# KiCad board sun3_60_layout2_routing2.kicad_pcb (continued)
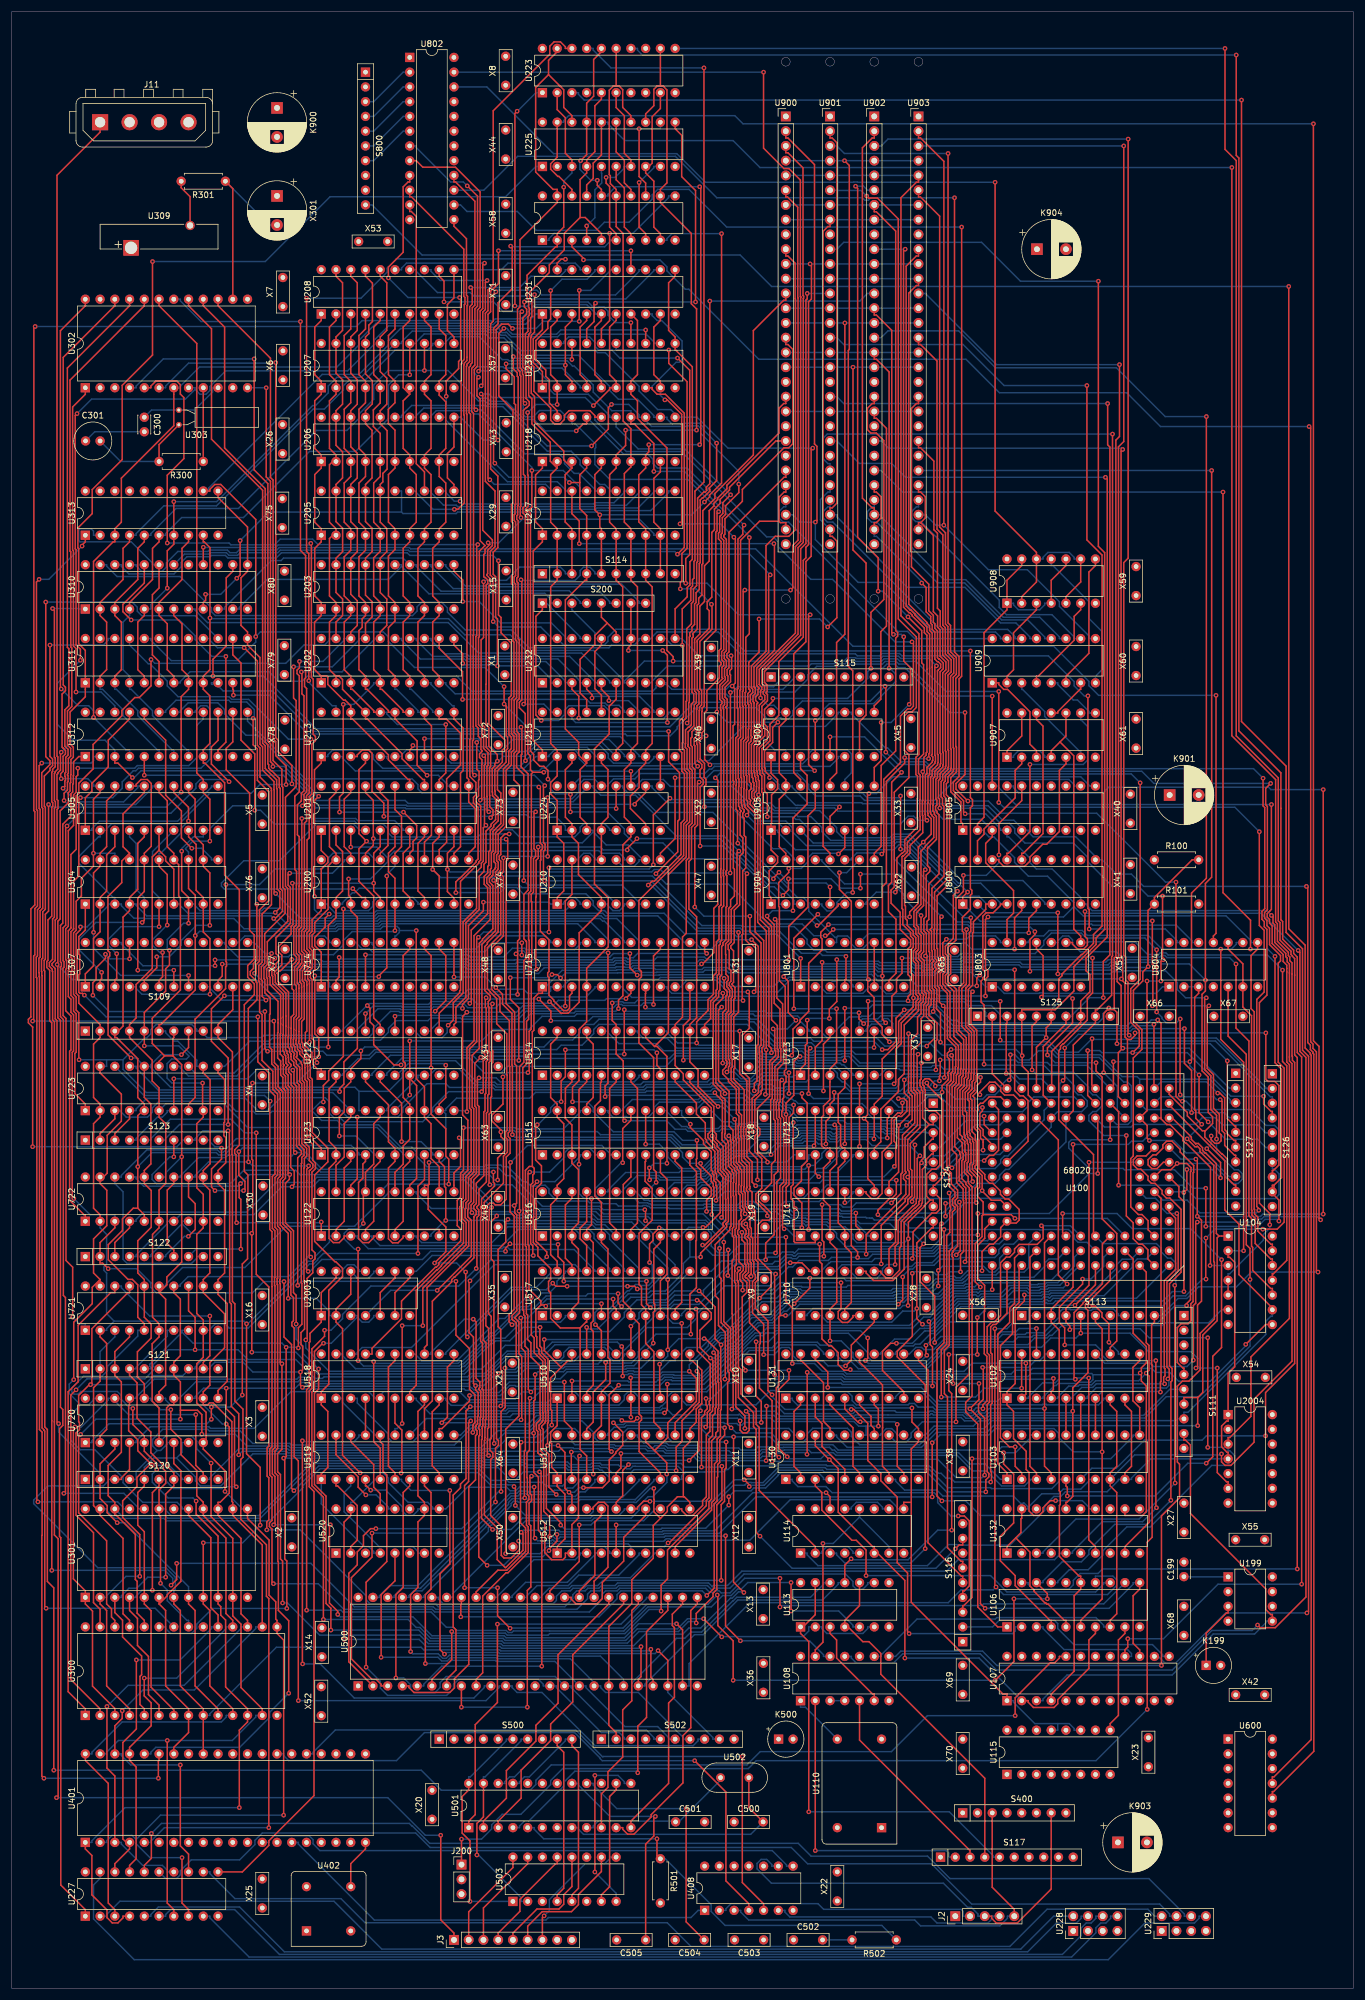
[diagram p0: board, top side]
## Routing (per net, layer and track width the routed paths; a pad name or vN(x,y) marks a point on that pad's centre or on a via; arc(x,y) is an arc through that point) (continued)
/sun3_60_mmu_diag/MMU2: length 282.5
  Top w0.25: U226.6 104.14,302.13 103.01,303.25 103.01,310.23 102.41,310.83 v1(102.41,311.81) ; U223.6 104.14,323.84 105.55,322.43 105.55,315.95 106.68,314.83 U225.7 ; 99.06,210.97 97.93,209.85 97.93,201.65 99.06,200.53 U224.3 ; 99.06,210.97 97.67,212.36 97.67,214.56 95.39,216.84 95.39,239.06 98.78,242.45 99.06,242.45 S114.4 U217.4 99.06,253.59 97.88,254.78 97.88,259.27 ; 99.06,210.97 U215.4 ; v1(85.97,299.98) 86.24,299.7 86.24,292.66 83.8,290.22 83.8,286.62 83.02,285.84 83.02,262.83 v1(83.25,262.6) ; U218.4 99.06,261.77 97.88,260.59 97.88,259.27 ; U213.4 60.96,210.97 59.83,209.85 59.83,198.83 v1(61.14,197.52) 59.83,196.21 59.83,190.61 62.37,188.07 62.37,167.09 63.5,165.96 U212.16 ; 97.88,259.27 v1(96.09,259.27)
  Bottom w0.25: 100.19,199.12 98.32,197.25 90.41,197.25 90.31,197.14 61.52,197.14 v1(61.14,197.52) ; 100.19,199.12 100.19,199.4 U224.3 ; 100.19,199.12 102.43,196.88 106.21,196.88 108.66,194.43 108.66,194.32 ; U225.7 105.55,313.7 105.55,313.42 103.95,311.81 v1(102.41,311.81) ; 108.66,194.32 108.09,194.32 108.09,194.04 107.25,193.19 105.27,193.19 U210.12 ; 108.66,194.32 U210.10 ; v1(83.25,262.6) 85.68,260.18 95.18,260.18 v1(96.09,259.27) ; v1(85.97,299.98) 86.07,299.87 102.17,299.87 103.01,300.72 103.01,301 U226.6
/sun3_60_mmu_diag/MMU3: length 298.2
  Top w0.25: U210.13 U224.4 101.6,200.53 102.73,201.65 102.73,209.85 101.6,210.97 U215.5 ; 109.22,313.14 109.22,312.57 110.63,311.16 110.63,303.25 111.76,302.13 U226.9 ; 109.22,313.14 110.35,314.26 110.35,322.26 111.76,323.68 U223.9 ; 109.22,313.14 U225.8 ; v1(87.74,242.53) 87.9,242.38 87.9,221.85 87.47,221.43 87.47,220.5 88.47,219.5 88.47,211.43 v1(88.52,211.37) ; U212.15 v1(66.04,167.38) ; v1(122.3,302.13) 122.3,259.18 120.25,257.14 120.25,256.83 v1(119.35,255.92) ; U210.15 96.52,188.37 95.38,187.23 v1(95.38,169.13) ; S114.5 U217.5 101.6,251.33 101.32,251.6 v1(101.32,253.72) 100.47,254.57 100.47,260.65 101.6,261.77 U218.5
  Bottom w0.25: U226.9 112.89,301 112.89,301.28 113.74,302.13 v1(122.3,302.13) ; v1(101.32,253.72) 117.14,253.72 v1(119.35,255.92) ; U210.13 100.47,194.32 100.47,194.6 99.63,195.45 98.55,195.45 97.65,194.55 97.65,194.32 U210.15 ; U215.5 100.47,212.1 100.47,212.36 99.16,213.68 90.83,213.68 v1(88.52,211.37) 87.67,210.52 65.92,210.52 64.63,211.82 64.63,212.1 U213.5 ; v1(87.74,242.53) 87.87,242.4 97.04,242.4 97.93,243.29 97.93,244.14 98.5,244.7 99.63,244.7 100.47,243.86 100.47,243.58 S114.5 ; v1(66.04,167.38) 66.19,167.53 77.51,167.53 77.7,167.34 86.99,167.34 88.37,168.72 94.36,168.72 94.77,169.13 v1(95.38,169.13)
/sun3_60_mmu_diag/MMU4: length 272.7
  Top w0.25: v1(81.33,212.25) 81.61,211.97 81.61,210.76 81.43,210.58 81.43,205.05 81.46,205.02 81.46,200.52 v1(81.7,200.27) 81.26,199.83 81.26,194.09 80.91,193.74 80.91,193.05 80.09,192.23 80.09,185.94 77.78,183.63 77.78,171.4 76.08,169.7 76.08,166.72 v1(75.2,165.83) ; 111.76,327.54 111.2,327.54 110.63,326.98 110.63,324.17 109.22,322.75 U225.13 ; 111.76,327.54 U223.12 ; 111.76,327.54 112.22,327.54 112.89,326.87 112.89,310.87 111.76,309.75 U226.12 111.76,307.49 117.09,302.16 117.09,290.07 117.99,289.17 117.99,289.17 v1(117.99,268.3) ; v1(105.77,268.3) 105.77,265.65 104.14,264.03 U218.6 104.14,261.77 103.01,260.65 103.01,252.45 104.14,251.33 U217.6 S114.6 104.14,242.45 105.27,241.32 105.27,214.35 104.14,213.23 U215.6
  Bottom w0.25: U224.5 103.01,199.4 103.01,199.68 102.14,200.55 98.56,200.55 97.93,199.92 97.93,199.2 97.01,198.27 87.47,198.27 86.25,199.5 82.48,199.5 v1(81.7,200.27) ; U215.6 101.66,214.58 90.22,214.58 88.59,212.96 84.89,212.96 84.47,212.55 81.63,212.55 v1(81.33,212.25) 80.34,213.24 68.02,213.24 67.17,212.38 67.17,212.1 U213.6 ; v1(75.2,165.83) 75.04,165.67 75.04,164.57 74.16,163.69 70.57,163.69 69.71,164.55 69.71,164.84 U212.14 ; v1(105.77,268.3) v1(117.99,268.3)
/sun3_60_mmu_diag/MMU5: length 256.6
  Top w0.25: U213.7 68.58,213.23 69.12,213.77 v1(69.12,214.02) ; 104.14,327.58 U223.15 ; 104.14,327.58 103.69,327.58 102.95,326.83 102.95,312.3 103.14,312.11 103.14,310.75 104.14,309.75 U226.15 104.14,303.34 105.34,302.14 105.34,269.88 106.68,268.54 U218.7 106.68,261.96 105.55,260.83 105.55,252.45 106.68,251.33 U217.7 S114.7 106.68,242.45 107.81,241.32 107.81,214.35 106.68,213.23 U215.7 106.68,210.97 105.55,209.85 105.55,201.65 106.68,200.53 U224.6 106.68,198.27 105.3,196.89 105.3,170.9 104.54,170.15 v1(104.54,168.7) ; 104.14,327.58 104.62,327.58 105.27,326.92 105.27,323.86 106.68,322.45 U225.14
  Bottom w0.25: v1(69.12,214.02) 69.35,213.79 82.56,213.79 83.35,213 84.29,213 86.34,215.05 102.88,215.05 105.55,212.38 105.55,212.1 U215.7 ; U212.13 72.25,164.84 72.25,165.12 73.71,166.58 76.32,166.58 76.48,166.42 88.05,166.42 89.44,167.81 94.74,167.81 94.87,167.95 96.88,167.95 97.17,168.23 104.07,168.23 v1(104.54,168.7)
/sun3_60_mmu_diag/MMU6: length 268
  Top w0.25: U213.8 v1(71.12,215.17) ; v1(118.52,265.8) 118.72,265.99 118.72,310.02 v1(118.53,310.21) ; v1(109.76,265.8) 109.76,264.57 109.22,264.03 U218.8 109.22,261.77 108.03,260.59 108.03,252.51 109.22,251.33 U217.8 S114.8 109.22,242.45 110.35,241.32 110.35,214.35 109.22,213.23 U215.8 109.22,210.97 108.09,209.85 108.09,206.78 106.59,205.28 106.59,203.16 109.22,200.53 U224.7 ; v1(98.01,314.69) 99.06,315.74 U225.17 99.06,324.6 100.26,325.8 100.26,332.12 101.6,333.46 U223.16 ; v1(80.12,214.52) 80.12,209.94 80.53,209.53 80.53,208.12 80.43,208.03 80.43,205.31 80.01,204.89 80.01,204.28 80.43,203.86 80.53,203.86 80.81,203.58 80.81,194.27 80.46,193.93 80.46,193.74 77.33,190.6 77.33,171.88 77.18,171.73 77.18,171.44 73.66,167.92 U212.12 ; U226.16 101.6,309.75 100.89,310.45 v1(100.89,311.32)
  Bottom w0.25: 80.58,215.01 80.41,215.17 v1(71.12,215.17) ; 80.58,215.01 81.1,215.53 104.87,215.53 108.09,212.3 108.09,212.1 U215.8 ; 80.58,215.01 80.58,214.97 v1(80.12,214.52) ; v1(109.76,265.8) v1(118.52,265.8) ; v1(100.89,311.32) 99.77,311.32 97.89,313.2 97.89,314.57 v1(98.01,314.69) ; U226.16 102.73,308.62 102.73,308.9 104.03,310.21 v1(118.53,310.21)
/sun3_60_mmu_diag/MMU7: length 287.5
  Top w0.25: v1(82.09,248.91) 82.36,248.64 82.36,248.6 81.55,247.79 81.55,247.1 81.33,246.88 81.33,243.06 81.47,242.92 81.6,242.92 82.03,242.5 82.03,241.89 81.75,241.62 81.75,224.57 81.72,224.54 81.72,217.57 82.21,217.09 82.21,213.87 83.67,212.41 v1(83.67,211.3) 83.24,210.86 83.24,210.47 82.79,210.02 82.79,206.02 82.84,205.97 82.84,205.37 83.38,204.83 83.38,201.23 82.58,200.44 82.58,200.13 81.71,199.26 81.71,193.9 81.36,193.55 81.36,192.31 80.55,191.49 80.55,185.76 78.24,183.45 78.24,170.65 76.54,168.94 76.54,166.3 76.2,165.96 U212.11 ; 92.49,329.51 95.11,326.9 95.11,323.86 96.52,322.45 U225.18 ; 92.49,329.51 90.27,327.3 90.27,312.75 93.28,309.75 93.98,309.75 U226.19 93.98,307.49 87.58,301.09 87.58,289.54 87.15,289.11 87.15,278.82 87.38,278.59 87.38,278.54 87.56,278.37 87.56,277.77 87.72,277.61 87.72,255.18 87.62,255.08 87.62,253.37 v1(87.74,253.25) ; 92.49,329.51 92.49,331.97 93.98,333.46 U223.19 ; S114.9 U217.9 111.76,251.33 110.63,252.45 110.63,259.99 111.76,261.11 U218.9 ; U224.9 U215.9
  Bottom w0.25: v1(82.09,248.91) 83.93,248.91 87.99,252.96 ; U213.9 74.79,212.1 74.79,211.91 75.72,210.97 83.35,210.97 v1(83.67,211.3) 83.86,211.3 84.71,212.14 88.44,212.14 90.43,214.13 101.2,214.13 102.79,212.55 102.79,211.85 103.68,210.96 109.77,210.96 110.63,211.82 110.63,212.1 U215.9 ; v1(87.74,253.25) 87.99,253 87.99,252.96 ; 87.99,252.96 108.15,252.96 110.63,250.48 110.63,250.2 U217.9
/sun3_60_mmu_diag/MMU.S: length 44.8
  Top w0.25: v1(102.88,221.73) 102.88,222.39 101.6,223.67 U232.5
  Bottom w0.25: U232.5 100.47,224.8 100.47,224.99 96.11,229.35 78.82,229.35 78.38,229.79 74.59,229.79 72.25,232.14 72.25,232.42 U202.13 ; v1(102.88,221.73) 106.27,221.73 108.09,219.91 108.09,219.72 U215.13
/sun3_60_mmu_diag/MMU.V: length 57.8
  Top w0.25: v1(97.71,218.72) 97.71,222.49 96.52,223.67 U232.3
  Bottom w0.25: U232.3 95.39,224.8 95.39,225.08 92.02,228.45 78.45,228.45 78.44,228.46 78.01,228.89 70.42,228.89 67.17,232.14 67.17,232.42 U202.15 ; U215.11 113.17,219.72 113.17,219.51 112.25,218.58 97.84,218.58 v1(97.71,218.72)
/sun3_60_mmu_diag/MMU.W: length 50.2
  Top w0.25: U232.4 99.06,223.67 99.98,222.75 v1(99.98,222.17)
  Bottom w0.25: U215.12 110.63,219.72 110.63,220 108.18,222.45 100.26,222.45 v1(99.98,222.17) ; U202.14 69.71,232.42 69.71,232.14 72.51,229.34 78.2,229.34 78.63,228.9 94.11,228.9 97.93,225.08 97.93,224.8 U232.4
/sun3_60_mmu_diag/MMU.X: length 42.2
  Top w0.25: v1(77.68,221.93) 77.68,226.71 73.66,230.73 U202.12
  Bottom w0.25: v1(77.68,221.93) 99.05,221.93 99.68,221.3 102.25,221.3 102.63,220.92 104.63,220.92 105.55,220 105.55,219.72 U215.14
/sun3_60_mmu_diag/MODIFY: length 38.9
  Bottom w0.25: S200.8 108.09,238.5 108.09,238.78 105.09,241.78 81.91,241.78 81.6,241.47 78.16,241.47 74.79,244.84 74.79,245.12 U203.12
/sun3_60_mmu_diag/MODIFYX: length 44.8
  Top w0.25: v1(106.25,230.36) 106.25,230.86 106.68,231.29 U232.14 S200.7 ; v1(112.97,217.96) 112.97,229.55 v1(112.15,230.36)
  Bottom w0.25: v1(112.97,217.96) 97.16,217.96 96.52,218.59 U215.18 ; v1(106.25,230.36) v1(112.15,230.36)
/sun3_60_mmu_diag/RD.BERR-: length 65.2
  Top w0.25: v1(87.08,323.21) 86.7,322.82 v1(86.7,289.68) ; U230.14 v1(106.68,286.82)
  Bottom w0.25: v1(86.7,289.68) 86.74,289.64 88.92,289.64 89.65,290.36 99.3,290.36 100.25,289.41 101.12,289.41 101.18,289.48 102.05,289.48 102.73,288.8 102.73,288.11 104.02,286.82 v1(106.68,286.82) ; v1(87.08,323.21) 87.12,323.21 90.31,326.4 U223.1
/sun3_60_mmu_diag/RD.CX-: length 128
  Top w0.25: v1(88.22,190.73) 88.22,209 86.99,210.23 86.99,212.45 87.44,212.9 87.44,215.99 87.02,216.41 87.02,221.62 87.44,222.04 87.44,232.19 87.26,232.36 87.26,241.98 87.02,242.23 87.02,242.83 87.26,243.08 87.26,252.7 87.02,252.94 87.02,253.55 87.17,253.7 87.17,255.27 87.26,255.36 87.26,277.42 87.1,277.58 87.1,278.18 86.42,278.86 v1(86.42,280.95) ; U230.18 v1(96.52,280.46)
  Bottom w0.25: v1(86.42,280.95) 86.69,280.69 96.29,280.69 v1(96.52,280.46) ; U210.7 108.09,186.7 108.09,186.98 105.1,189.97 88.98,189.97 v1(88.22,190.73)
/sun3_60_mmu_diag/RD.ID-: length 112.3
  Top w0.25: v1(118.18,210.43) 117.71,210.91 117.71,213.94 117.57,214.07 117.57,215.18 117.97,215.58 117.97,216.33 117.99,216.35 117.99,216.55 118.44,217 118.44,220.01 118.5,220.07 118.5,220.63 118.86,220.98 118.86,223.46 118.56,223.76 118.56,231.92 120.65,234.02 120.65,238.22 v1(120.55,238.32) ; v1(113.2,282.09) 113.2,279.8 116.36,276.64 116.36,247.95 115.46,247.06 115.46,242.37 115.19,242.1 v1(115.19,240.97)
  Bottom w0.25: v1(118.18,210.43) 117.71,209.96 108.21,209.96 106.96,208.71 98.21,208.71 U224.15 ; v1(113.2,282.09) 104.14,282.09 U230.15 ; v1(115.19,240.97) 117.9,240.97 v1(120.55,238.32)
/sun3_60_mmu_diag/RD.SYSEN-: length 45.9
  Top w0.25: U230.16 101.6,285.74 103.01,287.15 v1(103.01,302.18)
  Bottom w0.25: U226.11 113.17,308.62 113.17,308.34 107.01,302.18 v1(103.01,302.18) 93.46,302.18 92.57,301.28 92.57,301 U226.1
/sun3_60_mmu_diag/SA17: length 94.5
  Top w0.25: U208.1 53.34,287.17 52.21,286.05 52.21,277.85 53.34,276.73 U207.1 53.34,274.47 52.21,273.35 52.21,265.15 53.34,264.03 U206.1 53.34,261.77 52.21,260.65 52.21,252.45 53.34,251.33 U205.1 53.34,249.07 52.21,247.95 52.21,239.75 53.34,238.63 U203.1 53.34,236.37 52.17,235.21 52.17,227.09 53.34,225.93 ; 53.34,225.93 54.33,225.93 54.47,225.79 54.47,224.52 57.18,221.81 57.46,221.81 58.42,220.85 U213.18 58.42,218.59 58.7,218.59 64.91,212.38 64.91,211.53 68.3,208.15 68.58,208.15 U201.16 ; 53.34,225.93 U202.1
/sun3_60_mmu_diag/SA18: length 95.2
  Top w0.25: U205.2 55.88,250.76 ; 55.88,250.76 55.88,251.33 54.75,252.45 54.75,262.34 55.88,263.46 ; 55.88,250.76 54.75,249.64 54.75,239.75 55.88,238.63 U203.2 55.88,236.37 54.75,235.25 54.75,227.05 55.88,225.93 ; U201.15 71.12,208.15 70.84,208.15 67.26,211.73 67.26,212.58 61.24,218.59 60.96,218.59 U213.17 57.01,223.67 57.01,225.36 56.44,225.93 55.88,225.93 ; 55.88,225.93 U202.2 ; U208.2 55.88,287.17 54.75,286.05 54.75,277.85 55.88,276.73 U207.2 55.88,274.47 54.75,273.35 54.75,265.15 55.88,264.03 55.88,263.46 ; U206.2 55.88,263.46
/sun3_60_mmu_diag/SA19: length 99.6
  Top w0.25: U208.3 58.42,285.72 57.29,284.59 57.29,277.85 58.42,276.73 U207.3 58.42,273.02 57.29,271.89 57.29,265.15 58.42,264.03 U206.3 58.42,260.32 57.29,259.19 57.29,252.45 58.42,251.33 U205.3 58.42,247.62 57.29,246.49 57.29,239.75 58.42,238.63 U203.3 58.42,236.37 57.29,235.25 57.29,227.05 58.42,225.93 U202.3 58.42,223.67 58.7,223.67 62.37,220 62.37,219.72 U213.16 ; U201.14 73.66,208.15 74.79,209.28 v1(74.79,217.62)
  Bottom w0.25: v1(74.79,217.62) 66.45,217.62 64.63,219.44 64.63,219.72 U213.16
/sun3_60_mmu_diag/SA20: length 94.9
  Top w0.25: U208.4 60.96,285.72 59.83,284.59 59.83,277.85 60.96,276.73 U207.4 60.96,273.02 59.83,271.89 59.83,265.15 60.96,264.03 U206.4 60.96,260.32 59.83,259.19 59.83,252.45 60.96,251.33 U205.4 60.96,247.62 59.83,246.49 59.83,239.75 60.96,238.63 U203.4 60.96,236.37 60.39,235.8 60.39,234.35 59.83,233.79 59.83,227.05 60.96,225.93 U202.4 60.96,223.67 61.24,223.67 64.91,220 64.91,219.72 U213.15 66.04,218.59 69.85,214.78 69.85,210.59 v1(71.57,208.88)
  Bottom w0.25: U201.13 75.07,207.02 75.07,207.3 73.5,208.88 v1(71.57,208.88)
/sun3_60_mmu_diag/SA21: length 123.8
  Top w0.25: U208.5 63.5,287.17 62.37,286.05 62.37,277.85 63.5,276.73 U207.5 63.5,272.97 62.32,271.79 62.32,268.92 63.5,267.73 U206.5 63.5,261.77 63.5,261.77 63.5,260.32 62.37,259.19 62.37,252.45 63.5,251.33 U205.5 63.5,247.45 62.37,246.31 62.37,239.76 63.5,238.63 U203.5 63.5,236.37 62.37,235.25 62.37,227.05 63.5,225.93 U202.5 63.5,223.67 63.78,223.67 67.45,220 67.45,219.72 U213.14 ; v1(57.13,221.08) 57.13,205.8 56.49,205.16 v1(56.49,202.53) ; v1(67.5,202.53) 69.78,200.25 69.78,198.1 69.15,197.47 69.15,196.02 68.58,195.45 U200.16
  Bottom w0.25: U202.5 62.37,224.8 62.37,224.52 58.94,221.08 v1(57.13,221.08) ; v1(67.5,202.53) v1(56.49,202.53)
/sun3_60_mmu_diag/SA22: length 102.6
  Top w0.25: U208.6 66.04,285.72 64.91,284.59 64.91,277.85 66.04,276.73 U207.6 66.04,273.02 64.9,271.88 64.9,269.43 66.04,268.29 U206.6 66.04,261.77 64.91,260.65 64.91,252.45 66.04,251.33 U205.6 66.04,247.75 64.91,246.62 64.91,239.75 66.04,238.63 U203.6 66.04,235.44 64.91,234.31 64.91,227.05 66.04,225.93 U202.6 ; U200.15 71.12,197.37 72.32,198.57 72.32,217.39 71.12,218.59 U213.13
  Bottom w0.25: U202.6 66.04,223.67 66.32,223.67 69.99,220 69.99,219.72 U213.13
/sun3_60_mmu_diag/SA23: length 106.4
  Top w0.25: U200.14 73.66,196.07 74.93,197.34 74.93,208.25 77.33,210.64 77.33,216.11 74.84,218.59 73.66,218.59 U213.12 ; U208.7 68.58,287.17 67.45,286.05 67.45,275.6 68.58,274.47 ; U207.7 68.58,274.47 ; 68.58,274.47 67.45,273.35 67.45,265.15 68.58,264.03 U206.7 68.58,261.77 69.71,260.65 69.71,252.45 68.58,251.33 U205.7 68.58,249.07 67.45,247.95 67.45,239.75 68.58,238.63 U203.7 68.58,236.37 67.45,235.25 67.45,227.05 68.58,225.93 U202.7
  Bottom w0.25: U202.7 68.58,223.67 68.86,223.67 72.53,220 72.53,219.72 U213.12
/sun3_60_mmu_diag/SA24: length 102.9
  Top w0.25: U213.11 76.2,218.59 77.78,217.01 77.78,209.68 77.33,209.23 77.33,196.57 76.2,195.45 U200.13 ; U208.8 71.12,287.17 72.25,286.05 72.25,277.85 71.12,276.73 U207.8 71.12,274.47 72.25,273.35 72.25,265.15 71.12,264.03 U206.8 71.12,261.77 72.25,260.65 72.25,252.45 71.12,251.33 U205.8 71.12,249.07 69.99,247.95 69.99,239.75 71.12,238.63 U203.8 71.12,236.37 69.99,235.25 69.99,227.05 71.12,225.93 U202.8
  Bottom w0.25: U202.8 72.25,224.8 72.25,224.52 75.92,220.85 76.2,220.85 U213.11
/sun3_60_mmu_diag/TYPE0X: length 22.5
  Top w0.25: U232.16 101.6,231.29 100.47,230.17 100.47,223.79 101.6,222.66 U215.16
  Bottom w0.25: U232.16 100.47,232.42 100.47,233.42 96.52,237.37 S200.3
/sun3_60_mmu_diag/TYPE1X: length 46.3
  Top w0.25: S200.1 91.44,237.37 90.31,236.24 90.31,219.24 v1(91.24,218.31)
  Bottom w0.25: U215.15 103.01,219.72 103.01,219.9 102.07,220.85 96,220.85 95.25,220.1 95.25,219.33 94.23,218.31 v1(91.24,218.31) ; U232.17 97.93,232.42 97.93,232.7 92.14,238.5 S200.1
/sun3_60_mmu_diag/WE.PMAP0-: length 117.1
  Top w0.25: U202.11 76.2,231.29 77.71,229.78 v1(77.71,228.16) ; v1(83.42,292.12) 82.97,291.67 82.97,287.06 82.52,286.61 82.52,261.63 83.76,260.38 83.76,248.08 82.96,247.28 82.96,243.48 83.38,243.06 83.38,236.1 83.69,235.79 v1(83.69,227.71)
  Bottom w0.25: v1(77.71,228.16) 77.98,227.89 83.52,227.89 v1(83.69,227.71) 90.65,227.71 92.85,225.5 92.85,224.8 U232.2 ; U231.13 108.09,295.92 108.09,295.64 104.03,291.58 91.3,291.58 90.49,292.39 83.68,292.39 v1(83.42,292.12)
/sun3_60_mmu_diag/WE.PMAP2-: length 70.8
  Top w0.25: U206.11 76.2,265.4 75.07,264.27 75.07,260.07 76.2,258.95 U205.11 ; v1(97.79,292.36) v1(97.79,287.03) ; v1(86.29,285.81) 85.55,286.55 84.42,286.55 83.48,285.6 83.48,266.9 v1(83.78,266.59)
  Bottom w0.25: v1(83.78,266.59) 81.25,266.59 77.33,270.52 U206.11 ; U231.15 103.01,295.92 103.01,295.64 99.74,292.36 v1(97.79,292.36) ; v1(97.79,287.03) 91.59,287.03 90.36,285.81 v1(86.29,285.81)
/sun3_60_mmu_diag/WE.PMAP3-: length 37.6
  Top w0.25: U207.11 76.2,284.35 75.07,285.47 75.07,289.94 76.2,291.07 U208.11
  Bottom w0.25: U231.17 97.93,295.92 97.93,296.2 97.09,297.05 95.75,297.05 95.7,297 95.1,297 95.05,297.05 85.49,297.05 84.36,295.92 U208.11
/sun3_60_mmu_diag/WE.SMAP-: length 119
  Top w0.25: v1(79.08,292.85) 79.35,292.58 79.35,290 78.9,289.55 78.9,280.11 78.44,279.64 78.44,279.39 78.35,279.31 78.35,271.13 78.44,271.04 78.44,208.45 78.74,208.15 U201.12 78.74,204.27 79.87,203.15 79.87,196.57 78.74,195.45 U200.12
  Bottom w0.25: U231.18 95.39,295.92 95.39,295.69 94.49,294.79 89.45,294.79 87.51,292.85 v1(79.08,292.85)
/sun3_60_mmu_diag/WE.STAT-: length 28.6
  Top w0.25: U203.11 76.2,243.99 77.71,242.48 v1(77.71,238.79)
  Bottom w0.25: U232.18 95.39,232.42 95.39,232.7 92.99,235.11 84.22,235.11 80.54,238.79 v1(77.71,238.79)
/sun3_60_mmu_diag/WR.CX-: length 154
  Top w0.25: v1(138.33,209.66) 137.29,210.7 137.29,236.24 v1(137.57,236.51) ; v1(114.71,280.71) 116.81,278.61 116.81,246.87 116.12,246.18 v1(116.12,241.94) ; U210.9 111.76,195.45 114.29,197.98 v1(114.29,208.45)
  Bottom w0.25: v1(114.29,208.45) 119.75,208.45 120.99,209.68 138.31,209.68 v1(138.33,209.66) ; U230.19 95.11,283.22 95.11,283.5 95.95,284.35 99.56,284.35 100.47,283.43 100.47,282.75 101.13,282.09 103.39,282.09 104.78,280.71 v1(114.71,280.71) ; v1(137.57,236.51) 125.23,236.51 119.8,241.94 v1(116.12,241.94)
/sun3_60_mmu_diag/WR.DIAG-: length 331.2
  Top w0.25: v1(53.9,113.32) 53.9,112.28 51.72,110.1 51.72,107.16 51.7,107.14 51.7,106.17 51.72,106.14 51.72,103.33 51.27,102.87 51.27,86.37 52.09,85.55 52.09,33.18 44.31,25.4 44.31,24.61 39.75,20.06 U227.11 ; U230.13 v1(109.22,285.55) ; v1(80.04,123.95) 80.15,124.07 80.15,132.75 80.47,133.07 80.47,134.05 80.15,134.37 80.15,134.6 80.51,134.95 80.51,137.59 81.79,138.87 81.79,150.7 82.01,150.93 82.01,153.78 82.23,153.99 82.23,159.41 82.44,159.63 82.44,161.2 82.23,161.41 82.23,168.95 82.1,169.08 82.1,169.91 82.47,170.28 82.47,170.88 82.04,171.3 82.02,171.3 81.51,171.81 81.51,179.38 81.96,179.83 81.96,180.06 83.81,181.91 83.81,191.04 83.37,191.47 83.37,192.23 83.72,192.58 83.72,192.66 83.82,192.77 83.82,193.89 83.54,194.17 83.54,195.14 83.82,195.42 83.82,198.73 85.18,200.09 85.18,209.74 86.09,210.64 86.09,212.82 86.54,213.27 86.54,215.61 86.11,216.04 86.11,221.99 86.54,222.41 86.54,231.81 86.36,231.99 86.36,241.61 86.11,241.86 86.11,243.21 86.36,243.45 86.36,252.32 86.11,252.57 86.11,255.49 86.36,255.74 86.36,271.76 83.93,274.2 83.93,284.95 v1(84.8,285.82)
  Bottom w0.25: v1(109.22,285.55) 94.61,285.55 93.88,284.82 86.25,284.82 85.97,285.09 85.94,285.09 85.52,285.52 85.52,285.61 85.31,285.82 v1(84.8,285.82) ; v1(80.04,123.95) 77.01,120.93 61.89,120.93 57.01,116.05 57.01,115.31 55.02,113.32 v1(53.9,113.32)
/sun3_60_mmu_diag/WR.SYSEN-: length 57.3
  Top w0.25: v1(100.58,290.17) 100.34,289.92 100.34,287 99.06,285.72 U230.17 ; v1(117.82,290.37) 117.82,309.56 115.43,311.95 115.43,319.07 114.3,320.19 U225.11
  Bottom w0.25: v1(100.58,290.17) 100.78,290.37 v1(117.82,290.37)
/TEST0-: length 39.3
  Bottom w0.25: S116.2 168.99,62.24 170.12,63.37 179.65,63.37 180.21,62.8 180.21,61.96 182.98,59.19 196.53,59.19 198.28,57.44 198.28,57.16 U107.13
/TEST1-: length 72.8
  Top w0.25: S116.3 163.84,65.91 164.03,65.91 165.44,67.32 v1(165.44,91.2) ; U103.11 194.32,100.01 193.16,101.17 193.16,106.93 194.32,108.09 U102.11
  Bottom w0.25: v1(165.44,91.2) 189.35,91.2 193.2,95.06 193.2,95.26 U103.11
/TEST2-: length 49.2
  Top w0.25: v1(163.06,81.34) 164.12,81.34 164.98,80.48 164.98,69.3 164.13,68.45 163.84,68.45 S116.4
  Bottom w0.25: U130.1 134.49,87.64 134.49,87.36 135.45,86.4 140.29,86.4 141.34,85.35 158.94,85.35 159.53,84.76 159.53,83.64 161.82,81.34 v1(163.06,81.34)
/TEST3-: length 42.7
  Top w0.25: S116.5 163.84,70.99 163.6,70.99 157.85,76.74 157.85,106.46 156.22,108.09 156.22,109.22
/TEST4-: length 308.2
  Top w0.25: v1(127.46,180.56) 128.63,179.4 128.63,162.56 128.35,162.28 128.35,160.93 128.4,160.88 128.4,156.26 127.93,155.78 v1(127.93,154.55) ; U313.11 35.56,256.69 40.64,251.61 U310.13 40.64,243.99 39.51,242.87 39.51,234.67 40.64,233.55 U311.13 40.64,231.29 42.78,229.15 42.78,214.22 43.24,213.77 43.24,209.75 45.2,207.79 45.2,206.41 45.23,206.39 45.23,188.77 v1(45.49,188.52) ; v1(157.66,155.9) 157.73,155.9 157.85,155.77 157.85,155.42 160.42,152.85 160.42,141.18 161.43,140.17 161.43,138.19 162.5,137.12 162.5,136.29 162.08,135.87 162.08,134.9 162.5,134.49 162.5,134.11 162.06,133.67 162.06,127.51 161.53,126.98 161.53,110.73 160.68,109.88 160.68,102.4 161.21,101.87 161.21,75.88 163.57,73.53 163.84,73.53 S116.6
  Bottom w0.25: v1(127.46,180.56) 122.15,180.56 120.53,178.94 118.82,178.94 117.97,179.79 117.97,180.08 U715.14 115.9,180.08 111.31,184.66 102.27,184.66 101.82,185.11 63.05,185.11 62.6,184.67 55.43,184.67 55.01,184.26 49.75,184.26 v1(45.49,188.52) ; v1(127.93,154.55) 128.3,154.55 129.4,155.64 130.94,155.64 131.57,155.01 133.07,155.01 133.31,155.26 143.62,155.26 144.38,154.5 153.09,154.5 154.49,155.9 v1(157.66,155.9)
/TEST6-: length 191.2
  Top w0.25: v1(128.92,77.86) 128.25,78.53 128.25,96.25 127.8,96.71 127.8,99.13 125.2,101.73 125.2,106.36 124.75,106.81 124.75,114.02 124.72,114.05 124.72,121.39 124.56,121.55 124.56,123.44 124.66,123.54 124.57,123.62 124.57,124.33 124.84,124.6 124.84,129.47 124.62,129.7 124.62,130.67 124.84,130.9 124.84,136.59 124.78,136.66 124.78,138.53 124.84,138.6 124.84,140.55 124.55,140.84 124.55,141.16 123.94,141.78 123.94,142.81 123.94,142.81 123.94,145.77 123.83,145.88 123.83,146.53 v1(123.55,146.8) ; U714.11 v1(76.2,174.14) ; v1(86.27,146.99) 86.27,158.91 86.19,158.99 86.19,167.85 84.57,169.47 84.57,171.16 v1(83.41,172.32) ; v1(162.56,75.69) 163.23,76.35 163.84,76.35 S116.8
  Bottom w0.25: v1(76.2,174.14) 81.58,174.14 v1(83.41,172.32) ; v1(123.55,146.8) 121.54,144.79 115.32,144.79 113.58,146.54 86.72,146.54 v1(86.27,146.99) ; v1(162.56,75.69) 159.21,72.34 134.45,72.34 v1(128.92,77.86)
/V.INT-: length 189.4
  Top w0.25: U307.10 35.56,173.58 36.28,174.3 v1(36.28,176.36) ; v1(118.85,176.39) 119.02,176.39 120.96,178.33 120.96,185.95 121.65,186.65 121.65,208.01 v1(121.22,208.44)
  Bottom w0.25: v1(121.22,208.44) 122,209.21 135.37,209.21 137.29,207.29 137.29,206.51 138.5,205.3 146.17,205.3 146.93,204.55 159.01,204.55 162.62,208.15 182.13,208.15 183.04,207.25 183.04,207.02 U805.12 ; v1(118.85,176.39) 118.55,176.1 107.09,176.1 106.8,175.81 105.65,175.81 105.57,175.88 104.14,175.88 104,175.75 91.76,175.75 90.76,174.74 90.16,174.74 89.93,174.97 53.52,174.97 53.18,175.31 44.07,175.31 43.02,176.36 v1(36.28,176.36)
/WDOG-: length 411.8
  Top w0.25: v1(223.14,64.65) 223.41,64.93 223.41,160.48 222.38,161.52 222.38,178.99 219.55,181.81 219.55,210.44 211.86,218.13 v1(211.86,325.13)
  Bottom w0.25: U107.14 197.54,57.16 198.72,55.99 200.47,55.99 209.13,64.65 v1(223.14,64.65) ; U223.3 97.65,326.4 97.65,326.12 98.63,325.13 v1(211.86,325.13)
/WRITE-: length 587.9
  Top w0.25: v1(138.89,184.94) 134.74,180.8 v1(134.74,168.68) ; U231.7 107.81,287.17 107.81,277.86 106.68,276.73 U230.7 106.68,274.47 107.81,273.35 107.81,270.32 112.89,265.24 112.89,230.37 113.96,229.3 v1(113.96,228.53) ; v1(38.76,131.83) 38.65,131.94 38.65,143.54 38.42,143.77 38.42,144.38 39.23,145.19 39.23,189.15 36.69,191.69 36.69,207.58 33.3,210.97 33.02,210.97 U312.9 33.02,213.23 34.15,214.35 34.15,222.55 33.02,223.67 U311.9 33.02,225.93 34.17,227.07 v1(34.17,235.97) 34.17,248.07 33.17,249.07 33.02,249.07 U313.9 ; v1(142.11,168.68) 142.11,159.47 140.99,158.34 U713.3 140.99,156.09 140.96,156.07 140.96,153.02 139.86,151.91 139.86,150.28 139.52,149.95 139.52,145.11 139.99,144.65 140.99,144.65 U712.3 140.99,142.39 139.86,141.27 139.86,135.73 140.99,134.61 U711.3 140.99,128.41 142.14,127.26 142.14,118.12 140.99,116.97 U710.3 v1(140.99,111.48) ; v1(154.7,184.5) 154.7,185.33 156.19,186.82 156.19,196.52 v1(157.04,197.37) 158.41,198.73 158.41,201.41 157.86,201.96 157.86,202.31 157.8,202.36 157.8,204.09 157.86,204.14 157.86,208.73 158.13,209 158.13,210.02 159.06,210.95 159.06,211.16 159.14,211.25 159.14,212.22 159.04,212.33 159.04,227.44 v1(159.31,227.71) ; v1(53.34,131.96) U122.1
  Bottom w0.25: v1(38.76,131.83) 53.21,131.83 v1(53.34,131.96) ; U104.6 208.43,116.84 206.18,114.59 198.75,114.59 198.29,114.14 180.92,114.14 179.22,112.43 178.82,112.43 178.37,111.98 176.22,111.98 175.07,110.84 161.22,110.84 157.53,107.15 146.45,107.15 144.94,108.66 144.94,109.45 142.9,111.48 v1(140.99,111.48) ; 105.55,225.08 100.27,230.37 88.58,230.37 85.88,233.06 78.05,233.06 75.27,235.84 34.3,235.84 v1(34.17,235.97) ; 105.55,225.08 109,228.53 v1(113.96,228.53) 143.41,228.53 144.01,229.13 145.36,229.13 145.5,228.98 149.7,228.98 150.1,229.38 152.78,229.38 153.18,228.98 158.04,228.98 v1(159.31,227.71) ; 105.55,225.08 105.55,224.8 U232.7 ; v1(138.89,184.94) 139.33,184.5 v1(154.7,184.5) ; v1(142.11,168.68) v1(134.74,168.68) ; U800.7 177.96,186.7 177.96,186.98 174.19,190.75 163.66,190.75 v1(157.04,197.37)
